# Allegro board 1010260-900-0012_PCB_Rev-a.brd (continued)
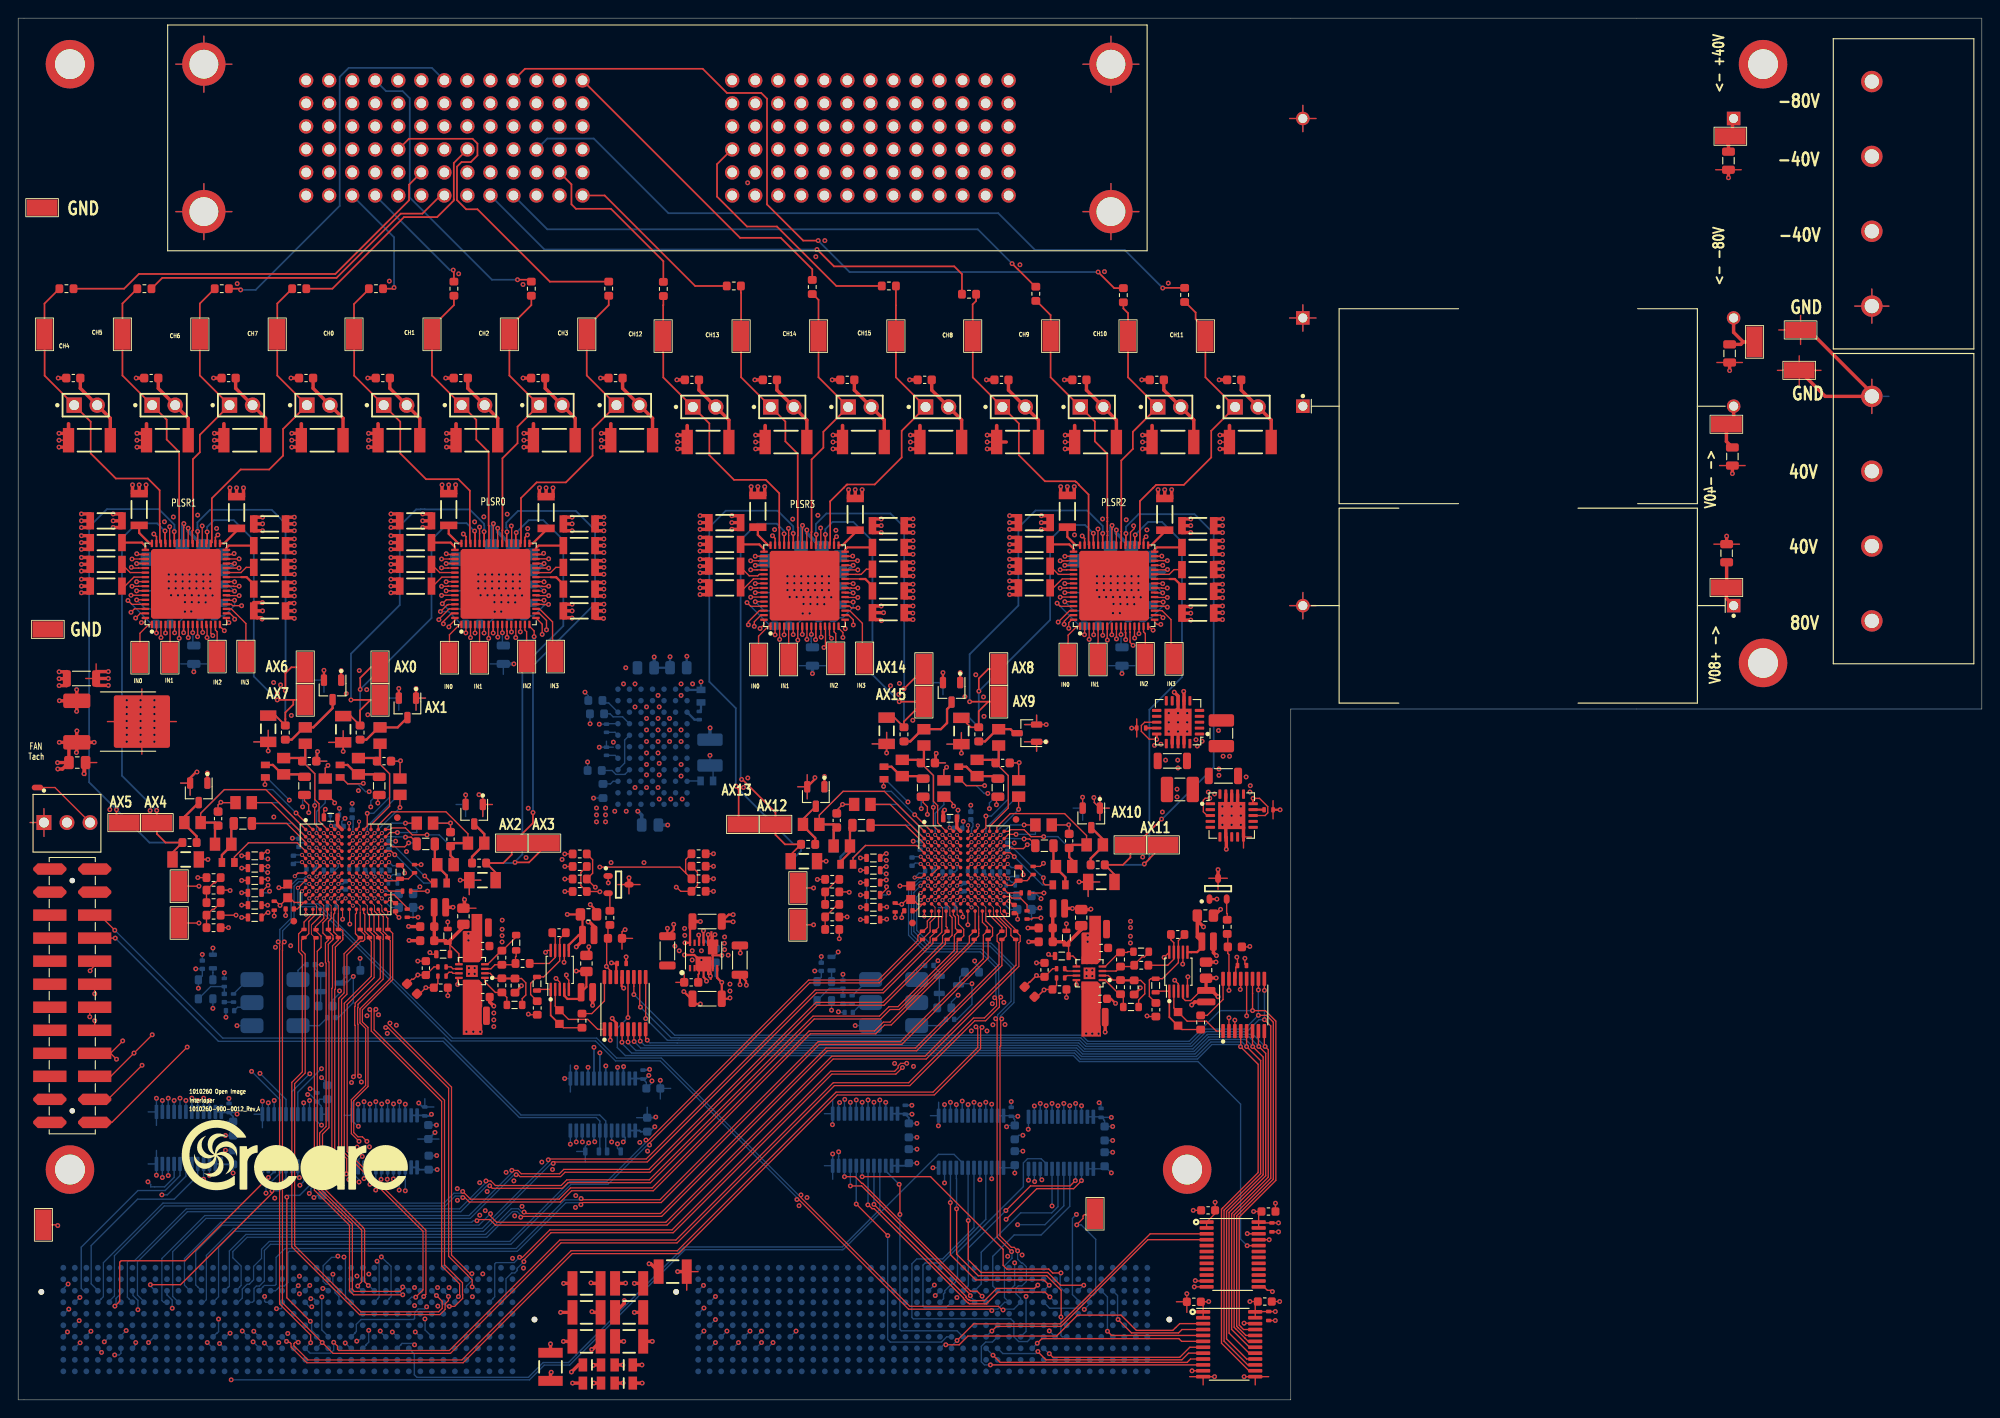
[diagram p0: board, top side]
## Routing (per net, layer and track width the routed paths; a pad name or vN(x,y) marks a point on that pad's centre or on a via; arc(x,y) is an arc through that point) (continued)
N15748910: length 5.2
  TOP w0.152: U10.B3 v2(32.91,62.51)
  BOTTOM w0.152: v2(32.91,62.51) 32.91,64.89 33.86,65.85 C61.2
N15748950: length 6.3
  TOP w0.152: U10.C3 v2(32.91,61.71)
  L3 - SIG1 w0.152: v1(31.37,65.41) 31.37,64.52 32.51,63.37 32.51,62.1 v2(32.91,61.71)
  BOTTOM w0.152: R36.2 31.37,66.52 v1(31.37,65.41)
N15749038: length 11
  TOP w0.152: U10.D3 v2(32.91,60.91)
  L3 - SIG1 w0.152: v1(29.9,66.15) 29.9,63.44 32,61.34 32.47,61.34 v2(32.91,60.91)
  BOTTOM w0.152: v1(29.9,66.15) 27.4,68.65 R37.2
N15749268: length 5.9
  TOP w0.152: v1(34.9,65.84) 34.9,65.95 34.12,66.73 C62.2 ; U10.B4 33.71,62.51 v2(33.7,62.51)
  L8 - SIG4 w0.152: v1(34.9,65.84) 34.62,65.56 34.62,64.34 33.71,63.42 33.71,62.97 33.7,62.97 v2(33.7,62.51)
N15749308: length 6.5
  TOP w0.152: U10.C4 v2(33.71,61.71) ; R39.2 31.57,66.09 32.04,65.62 v1(32.04,64.77)
  L3 - SIG1 w0.152: v2(33.71,61.71) 33.34,62.08 33.34,63.47 v1(32.04,64.77)
N15749344: length 11.8
  TOP w0.152: R40.2 27.22,68.61 v1(27.22,67.86) ; U10.D4 v2(33.71,60.91)
  L8 - SIG4 w0.152: v2(33.71,60.91) 33.27,61.34 31.88,61.34 27.22,66 v1(27.22,67.86)
N15749364: length 12.5
  TOP w0.152: v1(23.37,56.18) 23.33,56.22 R41.1 ; U10.J3 v2(32.91,56.11)
  L8 - SIG4 w0.152: v2(32.91,56.11) 32.43,56.58 31.97,56.58 31.63,56.92 30.3,56.92 28.73,55.35 24.2,55.35 v1(23.37,56.18)
N15749416: length 12.2
  TOP w0.152: v1(24.02,53.46) 24.02,53.46 R42.1 ; U10.K3 v2(32.91,55.31)
  L8 - SIG4 w0.152: v1(24.02,53.46) 24.65,54.09 24.85,54.09 25.74,54.99 28.8,54.99 29.49,55.68 32.54,55.68 v2(32.91,55.31)
N15749484: length 19.2
  TOP w0.152: TP11.1 v1(19.94,56.66) ; U10.J5 v2(34.51,56.11)
  L8 - SIG4 w0.152: v2(34.51,56.11) 34.18,56.44 34.18,57.01 33.91,57.28 30.25,57.28 28.6,55.63 26.29,55.63 25.26,56.66 v1(19.94,56.66)
N15749496: length 3.5
  TOP w0.152: R43.1 R41.2 21.56,57.02 21.74,57.02 R44.2
N15749914: length 19.5
  TOP w0.152: U10.L12 40.68,54.91 v2(41.02,55.24) 41.48,54.79 C71.1 ; U10.L1 31.66,54.86 31.5,54.86 ; 31.5,54.86 30.77,54.14 C66.1 ; 31.5,54.86 30.45,54.86 29.93,55.38 E1.1 28.88,54.54 v1(28.88,54.53) 28.41,55 C65.2
  L4 - POWER/GND w0.152: v1(28.88,54.53) 28.93,54.53 29.23,54.84 40.61,54.84 v2(41.02,55.24)
N15750422: length 27.8
  TOP w0.152: U10.A7 36.5,62.91 v2(36.5,63.6) ; R51.2 45.85,47.75 C64.2 44.08,46.86 v1(44.07,46.86) 43.6,46.39 43.39,46.39 C288.1
  L3 - SIG1 w0.152: v2(36.5,63.6) 36.44,63.54 36.44,60.77 36.47,60.73 36.75,60.45 41.67,60.45 41.82,60.45 43.59,58.69 43.59,47.35 v1(44.07,46.86)
N15750464: length 2.8
  TOP w0.152: U10.K11 v2(40.11,55.31)
  BOTTOM w0.152: R56.2 41.1,54.31 v2(40.11,55.31)
N15750500: length 2.5
  TOP w0.152: U10.J11 v2(40.11,56.11)
  BOTTOM w0.152: R58.2 41.27,55.83 41,56.11 v2(40.11,56.11)
N15750632: length 29.7
  TOP w0.152: R54.2 46.29,45.91 C70.2 v1(44.96,45.47) 44.28,44.79 C288.2 ; v2(37.59,63.78) 37.59,63.19 U10.A8
  L8 - SIG4 w0.152: v2(37.59,63.78) 36.51,62.69 36.51,59.79 36.58,59.72 41.5,59.72 43.59,57.63 43.59,46.84 v1(44.96,45.47)
N15751046: length 5.7
  TOP w0.152: U21.16 64.65,44 63.25,42.6 R52.1
N15751050: length 8.4
  TOP w0.152: U22.1 57.34,45.27 R57.1 ; C72.1 60.11,41.04 R52.2
  TOP w0.196: C72.1 59.66,41.47 58.72,42.41 U22.1
N15751228: length 9.9
  TOP w0.152: R49.2 56.52,44.7 56.52,45.95 R57.2 57.95,46.65 59.72,48.42 U22.8 59.72,50.85 R53.1
N15751240: length 5.9
  TOP w0.152: R53.2 59.22,51.2 U22.9 59.22,48.81 58.55,48.13 R50.1
N15751372: length 8.3
  TOP w0.152: U21.1 63.9,40.87 62.81,41.96 60.69,41.96 C72.2 59.22,43.44 U22.2
N15751666: length 3.6
  TOP w0.152: R63.1 43.04,57.47 R61.1 41.9,57.47 41.68,57.25 40.56,57.25 U10.H12
N15751718: length 19.1
  TOP w0.152: U10.J7 v2(36.91,56.11)
  L8 - SIG4 w0.152: v1(36.96,46.7) 36.96,49.94 37.36,50.34 37.36,55.04 37.27,55.13 37.27,55.74 v2(36.91,56.11)
  BOTTOM w0.152: 35.6,46.1 36.32,46.1 36.92,46.7 v1(36.96,46.7) 36.96,43.81 35.31,42.16 C84.2 ; 35.6,46.1 D1.3 ; 35.6,46.1 36.18,46.67 R62.1
N15751742: length 8.5
  TOP w0.152: U10.K8 v2(37.71,55.31)
  L8 - SIG4 w0.152: v1(37.71,48.69) v2(37.71,55.31)
  BOTTOM w0.152: v1(37.71,48.69) 37.71,47.4 R62.2
N15751846: length 15
  TOP w0.152: U10.K7 v2(36.91,55.31)
  L3 - SIG1 w0.152: v2(36.91,55.31) 36.17,54.57 36.17,50.79 33.45,48.07 v1(33.45,48.01)
  BOTTOM w0.152: v1(33.45,48.01) C86.2 32.71,47.57 D1.2 D1.1 33.36,43.66 R64.1
N15751854: length 14.5
  TOP w0.152: U10.J8 v2(37.71,56.11)
  L3 - SIG1 w0.152: v2(37.71,56.11) 37.38,55.79 37.38,55.45 37.38,55.45 37.38,52.59 36.63,51.84 36.63,46.3 v1(35.43,45.11)
  BOTTOM w0.152: R64.2 34.69,44.09 35.43,44.83 v1(35.43,45.11)
N15751858: length 3.1
  TOP w0.152: U10.K12 41.47,55.71 42.91,54.28 R65.1
N15751920: length 2
  TOP w0.152: U10.J12 40.9,56.11 R66.1
N15752090: length 15
  TOP w0.152: R68.2 26.88,58.65 27.07,58.84 v1(27.53,58.84) ; U10.H11 v2(40.11,56.91)
  L3 - SIG1 w0.152: v1(27.53,58.84) 38.7,58.84 39.75,57.78 39.75,57.26 v2(40.11,56.91)
N15752156: length 14.4
  TOP w0.152: U10.H10 v2(39.31,56.91)
  L3 - SIG1 w0.152: v2(39.31,56.91) 38.86,57.35 38.86,57.91 38.23,58.55 29.03,58.55 28.64,58.17 v1(27.51,58.17)
  BOTTOM w0.152: v1(27.51,58.17) 27.32,58.17 R69.2
N15752236: length 14.1
  TOP w0.152: U10.H9 v2(38.51,56.91) ; R70.2 26.84,56.03 v1(27.56,56.76)
  L3 - SIG1 w0.152: v2(38.51,56.91) 38.1,57.31 38.1,57.78 37.62,58.27 29.14,58.27 28.76,57.89 28.69,57.89 v1(27.56,56.76)
N15752296: length 12.8
  TOP w0.152: R72.2 27.5,54.57 27.51,54.56 v1(27.51,54.56) ; U10.H8 v2(37.71,56.91)
  L3 - SIG1 w0.152: v1(27.51,54.56) 27.79,54.56 30.54,57.32 36.7,57.32 36.73,57.34 37.08,57.34 37.11,57.32 37.3,57.32 v2(37.71,56.91)
N15752346: length 12.4
  TOP w0.152: v1(27.56,53.75) 27.38,53.75 R73.2 ; U10.H7 v2(36.91,56.91)
  L3 - SIG1 w0.152: v2(36.91,56.91) 35.77,56.91 35.44,56.58 33.04,56.58 33.04,56.57 32.77,56.57 32.76,56.58 31.97,56.58 31.64,56.91 30.72,56.91 v1(27.56,53.75)
N15752408: length 19.4
  TOP w0.152: U10.K10 v2(39.31,55.31) ; R75.2 27.31,60.48 v1(27.51,60.48)
  L3 - SIG1 w0.152: v1(27.51,60.48) 27.79,60.48 28.61,59.65 38.75,59.65 38.98,59.42 38.98,59.17 39.17,58.98 39.62,58.98 40.47,58.13 40.47,57.53 40.58,57.43 40.58,55.82 40.4,55.64 39.64,55.64 v2(39.31,55.31)
N15752474: length 15.5
  TOP w0.152: U10.J10 v2(39.31,56.11)
  L8 - SIG4 w0.152: v2(39.31,56.11) 38.86,56.55 38.86,58.01 38.51,58.37 36.12,58.37 35.56,58.93 28.66,58.93 27.93,59.66 v1(27.53,59.66)
  BOTTOM w0.152: R76.2 27.18,59.66 v1(27.53,59.66)
N15752544: length 14.8
  TOP w0.152: U10.K9 v2(38.51,55.31)
  L8 - SIG4 w0.152: v2(38.51,55.31) 38.07,55.74 38.07,56.21 37.84,56.44 37.67,56.44 37.38,56.73 37.38,56.99 36.98,57.38 36.21,57.38 35.37,58.22 29.84,58.22 v1(27.72,56.1)
  BOTTOM w0.152: v1(27.72,56.1) 27.55,55.93 R77.2
N15752612: length 1.5
  TOP w0.381: R79.2 35.22,63.4 U10.A6
N15752644: length 14.1
  TOP w0.152: R78.2 26.98,57.43 v1(27.53,57.43) ; U10.J9 v2(38.51,56.11)
  L8 - SIG4 w0.152: v2(38.51,56.11) 38.51,56.44 38.18,56.77 38.18,56.95 37.74,57.38 37.57,57.38 37.24,57.71 37.24,57.85 37.04,58.04 36.05,58.04 35.55,58.55 29.26,58.55 28.14,57.43 v1(27.53,57.43)
N15795370: length 6.2
  BOTTOM w0.254: D11.3 41.84,74.17 C31.1 39.75,74.17 38.4,72.82 R2.2
N15795374: length 6.2
  TOP w0.254: D12.3 41.84,74.17 C39.1 39.75,74.17 38.4,72.82 R11.2
N15832696: length 5.3
  BOTTOM w0.254: D14.3 50.82,62.98 50.84,62.98 51.4,62.43 C55.1 51.4,61.26 50.05,59.91 R29.2
N15832706: length 5.3
  TOP w0.254: R20.2 50.05,59.91 51.4,61.26 C47.1 51.4,62.41 D13.3
N15836066: length 18.5
  TOP w0.152: U10.K5 v2(34.51,55.31) ; TP12.1 v1(19.94,52.59)
  L8 - SIG4 w0.152: v2(34.51,55.31) 34.06,54.86 30.23,54.86 28.71,53.35 28.71,53.17 28.14,52.59 v1(19.94,52.59)
N15848135: length 3.5
  TOP w0.152: R45.2 R42.2 21.41,54.1 21.59,54.1 R43.2
N15857516: length 5.6
  TOP w0.254: D15.3 18.33,64.29 C32.1 18.33,63.52 19.68,62.17 R3.2
N15857738: length 5.6
  BOTTOM w0.254: D16.3 18.33,64.29 C40.1 18.33,63.52 19.68,62.17 R12.2
N15857964: length 7.6
  BOTTOM w0.254: D17.3 34.67,76.29 32.55,74.17 C48.1 31.51,74.17 30.16,72.82 R21.2
N15858186: length 7.6
  TOP w0.254: R30.2 30.16,72.82 31.51,74.17 C56.1 32.55,74.17 34.67,76.29 D18.3
N15861144: length 5.1
  TOP w0.152: U19.3 52.13,47.54 52.57,47.99 R46.2 54.7,47.99 R50.2 54.85,48.85 54.91,48.92 C291.1
N15861392: length 38.2
  TOP w0.152: U21.15 65.3,47.35 64.9,47.75 64.9,47.78 v1(64.87,47.81) 64.9,47.84 64.9,50.76 C302.2 65.04,52.17 R48.2 ; R49.1 56.33,42.48 v1(56.26,42.55) ; R47.2 v1(47.37,52.7)
  L8 - SIG4 w0.152: v1(56.26,42.55) 58.93,45.21 62.27,45.21 v1(64.87,47.81) 60.42,47.81 60.4,47.78 60,47.78 59.98,47.81 58.21,47.81 53.65,52.37 53.57,52.37 53.56,52.38 47.7,52.38 v1(47.37,52.7)
N15864259: length 1.3
  BOTTOM w0.152: R67.2 21.48,47.12 21.47,47.12 Y1.1
N15864385: length 1
  BOTTOM w0.152: R71.1 23.74,43.87 C82.2
N15864463: length 2.7
  BOTTOM w0.152: R71.2 25.33,46.35 T1.3
N15864467: length 3.6
  BOTTOM w0.152: C84.1 33.2,41.27 T1.6
N15864531: length 4.2
  BOTTOM w0.152: C82.1 R74.2 21.23,45.59 Y1.3
N15864535: length 2.3
  BOTTOM w0.152: C85.1 24.2,43.31 25.27,43.31 T1.2
N15864587: length 2.2
  BOTTOM w0.152: T1.4 30.86,47.37 31.5,48.01 C86.1
N15894414: length 2
  TOP w0.152: R48.1 65.25,55.69 U20.2
N15963021: length 3.7
  TOP w0.152: U37.5 50.88,81.87 TP26.1
N15963031: length 3.6
  TOP w0.152: TP28.1 56.07,84.73 55.88,84.92 U37.15
N15963035: length 6.4
  TOP w0.152: U37.19 57.48,87.25 58.93,85.8 58.93,82.3 TP30.1
N15963075: length 5.9
  TOP w0.152: v1(51.89,84) 51.88,84.01 U37.7
  BOTTOM w0.152: v1(51.89,84) 51.86,84.02 51.86,85.65 52.68,86.46 R162.2
N15965806: length 5.3
  TOP w0.152: v1(46.56,86.95) 46.58,86.95 47.32,87.69 47.4,87.69 47.44,87.73 48.14,87.73 U37.61
  BOTTOM w0.152: R160.2 48.84,85.57 47.47,86.94 46.57,86.94 v1(46.56,86.95)
N15979321: length 2.3
  TOP w0.152: U10.B7 v2(36.91,62.51)
  BOTTOM w0.152: v2(36.91,62.51) 36.91,63.16 36.94,63.19 36.94,64.11 C63.1
N15986485: length 33.5
  TOP w0.152: TP2.1 4.29,19.3 v1(4.37,19.23)
  L8 - SIG4 w0.152: v1(4.37,19.23) 13.32,10.27 13.34,10.27 17.77,5.85 21.05,5.85 26.61,11.41 v1(27.18,11.41)
  BOTTOM w0.152: v1(27.18,11.41) 27.18,10.88 27.29,10.77 J3.G22
N15991050: length 1.5
  TOP w0.152: R51.1 47.74,47.75 47.94,47.54 U19.10
N15991145: length 1.7
  TOP w0.152: U19.11 47.94,47.04 47.82,47.17 47.52,47.17 47.19,46.84 R54.1
N15991982: length 7.5
  TOP w0.152: U19.2 52.04,47.04 52.59,46.5 R55.2 ; C290.1 55.58,44.25 55.98,44.65 55.98,46 55.51,46.47 R210.1
  TOP w0.254: R210.1 53.37,46.47 R55.2
N15999825: length 4.4
  TOP w0.152: TP23.1 13.43,84.55 14.41,85.53 U36.1
N15999843: length 3.7
  TOP w0.152: U36.5 16.75,81.87 TP25.1
N15999847: length 3.6
  TOP w0.152: U36.15 21.75,84.92 21.94,84.73 TP27.1
N15999851: length 6.5
  TOP w0.152: TP29.1 25.12,85.63 23.5,87.25 U36.19
N15999879: length 6.3
  TOP w0.152: U36.61 12.55,87.75 12.13,88.16 v1(12.11,88.16)
  BOTTOM w0.152: R159.2 14.7,85.57 v1(12.11,88.16)
N15999931: length 5.9
  TOP w0.152: U36.7 17.75,84.01 v1(17.76,84)
  BOTTOM w0.152: R161.2 18.39,86.46 17.76,85.83 v1(17.76,84)
N16009220: length 5
  BOTTOM w0.254: D3.3 109.87,73.53 109.43,73.97 C89.1 107.97,73.97 106.62,72.62 R81.2
N16009270: length 5.3
  TOP w0.196: C90.1 86.54,64.06 D7.3
  TOP w0.254: R82.2 87.89,61.97 86.54,63.32 C90.1
N16009328: length 6.4
  TOP w0.152: U23.B9 v2(106.72,62.31)
  BOTTOM w0.152: C91.2 110.17,66.53 106.72,63.08 v2(106.72,62.31)
N16009384: length 6.3
  TOP w0.152: U23.C9 v2(106.72,61.51)
  L3 - SIG1 w0.152: v1(107.1,65.21) 107.1,61.89 v2(106.72,61.51)
  BOTTOM w0.152: v1(107.1,65.21) 107.1,65.84 107.78,66.52 R83.2
N16009538: length 11
  TOP w0.152: U23.D9 v2(106.72,60.71)
  L3 - SIG1 w0.152: v2(106.72,60.71) 106.29,61.14 106.29,66.26 v1(106.92,66.89)
  BOTTOM w0.152: v1(106.92,66.89) 106.52,66.89 105.66,67.75 104.55,67.75 103.85,68.45 R84.2
N16009642: length 5.9
  TOP w0.152: C96.2 v1(110.32,65.14) ; U23.B10 v2(107.52,62.31)
  BOTTOM w0.152: v2(107.52,62.31) 110.32,65.11 v1(110.32,65.14)
N16009734: length 5.8
  TOP w0.152: U23.C10 v2(107.52,61.51) ; R88.2 107.88,66.37 v1(107.88,65.64)
  L3 - SIG1 w0.152: v1(107.88,65.64) 107.88,61.87 v2(107.52,61.51)
N16009890: length 11.6
  TOP w0.152: U23.D10 v2(107.52,60.71) ; v1(106.57,67.75) 104.55,67.75 103.85,68.45 R89.2
  L8 - SIG4 w0.152: v2(107.52,60.71) 107.19,61.04 106.72,61.04 106.32,61.45 106.32,66.92 106.57,67.17 v1(106.57,67.75)
N16009926: length 5
  TOP w0.254: R90.2 106.62,72.62 107.97,73.97 C97.1 109.42,73.97 109.86,73.53 D4.3
N16009972: length 5.3
  BOTTOM w0.196: C98.1 86.54,64.06 D8.3
  BOTTOM w0.254: C98.1 86.54,63.32 87.89,61.97 R91.2
N16010126: length 4.9
  TOP w0.152: C99.2 v1(110.93,63.41) ; U23.B11 v2(108.32,62.31)
  BOTTOM w0.152: v2(108.32,62.31) 109.42,63.41 v1(110.93,63.41)
N16010242: length 5
  TOP w0.152: v1(110.93,61.87) 111.54,61.87 112.16,61.25 R94.2 ; U23.C11 v2(108.32,61.51)
  BOTTOM w0.152: v1(110.93,61.87) 110.89,61.9 109.84,61.9 109.82,61.92 108.73,61.92 v2(108.32,61.51)
N16010284: length 8.5
  TOP w0.152: R96.2 113.25,56.81 113.05,57.01 v1(113.05,57.59) ; U23.D11 v2(108.32,60.71)
  BOTTOM w0.152: v2(108.32,60.71) 108.63,61.02 109.58,61.02 112.65,57.94 112.69,57.94 v1(113.05,57.59)
N16010464: length 4.7
  TOP w0.152: U23.B12 109.19,62.38 v1(110.04,62.38)
  BOTTOM w0.152: C104.2 112.17,62.38 112.17,62.38 v1(110.04,62.38)
N16010590: length 3.8
  TOP w0.152: v1(111.28,61.23) 110.85,60.8 109.54,60.8 109.23,61.11 U23.C12
  BOTTOM w0.152: R98.2 112.05,61.23 v1(111.28,61.23)
N16010638: length 5.2
  TOP w0.254: R99.2 118.26,59.71 119.61,61.06 C105.1 119.61,61.21 119.6,61.84 D5.3
N16010688: length 8.1
  BOTTOM w0.254: R100.2 98.38,72.62 99.73,73.97 C106.1 101.74,73.97 102.41,74.64 102.41,76.16 102.93,76.67 D9.3
N16010728: length 6.8
  TOP w0.152: U23.D12 108.75,60.34 109.4,60.34 v1(109.84,59.9)
  BOTTOM w0.152: R101.2 112.94,56.81 v1(109.84,59.9)
N16010992: length 7
  TOP w0.152: U23.C1 99.92,61.32 97.86,63.38 R105.2
N16011046: length 9.5
  TOP w0.152: R106.2 92.06,59.78 93.43,61.14 99.09,61.14 U23.D1
N16011316: length 8.3
  TOP w0.152: U23.B2 v2(100.32,62.31)
  BOTTOM w0.152: C112.2 96.96,65.67 v2(100.32,62.31)
N16011344: length 5.2
  BOTTOM w0.254: D6.3 119.61,61.84 C113.1 119.61,61.06 118.26,59.71 R108.2
N16011394: length 8.1
  TOP w0.254: R109.2 98.38,72.62 99.73,73.97 C114.1 101.74,73.97 102.43,74.66 102.43,76.18 102.93,76.67 D10.3
N16011436: length 7.7
  TOP w0.152: U23.C2 v2(100.32,61.51)
  BOTTOM w0.152: R110.2 98.45,63.38 v2(100.32,61.51)
N16011514: length 10.3
  TOP w0.152: U23.D2 v2(100.32,60.71)
  BOTTOM w0.152: v2(100.32,60.71) 99.89,61.14 93.43,61.14 92.06,59.78 R111.2
N16011714: length 5.2
  TOP w0.152: U23.B3 v2(101.12,62.31)
  BOTTOM w0.152: C119.2 102.08,65.65 101.12,64.7 v2(101.12,62.31)
N16011750: length 6.3
  TOP w0.152: U23.C3 v2(101.12,61.51)
  L3 - SIG1 w0.152: v1(99.59,65.21) 99.59,64.32 100.73,63.18 100.73,61.91 v2(101.12,61.51)
  BOTTOM w0.152: R115.2 99.59,66.32 v1(99.59,65.21)
N16011836: length 11
  TOP w0.152: U23.D3 v2(101.12,60.71)
  L3 - SIG1 w0.152: v2(101.12,60.71) 100.69,61.14 100.22,61.14 98.12,63.25 v1(98.12,65.95)
  BOTTOM w0.152: R116.2 95.62,68.45 v1(98.12,65.95)
N16011964: length 5.9
  TOP w0.152: U23.B4 v2(101.92,62.31) ; v1(103.14,65.49) 103.14,65.5 103.02,65.61 103.02,65.84 102.33,66.53 C120.2
  L8 - SIG4 w0.152: v1(103.14,65.49) 103.14,64.53 101.9,63.3 101.9,62.79 101.92,62.77 v2(101.92,62.31)
N16011984: length 6.9
  TOP w0.152: R118.2 99.79,65.9 100.26,65.42 v1(100.26,64.57) ; U23.C4 v2(101.92,61.51)
  L3 - SIG1 w0.152: v1(100.26,64.57) 100.61,64.22 100.82,64.22 102.32,62.71 102.32,61.91 v2(101.92,61.51)
N16012014: length 11.8
  TOP w0.152: v1(95.43,67.67) 95.43,68.41 R119.2 ; U23.D4 v2(101.92,60.71)
  L8 - SIG4 w0.152: v2(101.92,60.71) 101.49,61.14 100.09,61.14 95.43,65.81 v1(95.43,67.67)
N16012074: length 12.2
  TOP w0.152: U23.J3 v2(101.12,55.91) ; R120.1 91.6,56.03 v1(91.64,55.98)
  L8 - SIG4 w0.152: v2(101.12,55.91) 100.72,56.32 97.76,56.32 96.59,55.15 92.48,55.15 v1(91.64,55.98)
N16012094: length 3.5
  TOP w0.152: R122.1 R120.2 90.37,57.41 R123.2
N16012142: length 2.4
  TOP w0.152: U23.B7 v2(105.12,62.31)
  BOTTOM w0.152: v2(105.12,62.31) 105.12,62.96 105.15,63 105.15,63.09 105.28,63.22 105.28,63.6 105.15,63.73 105.15,63.91 C121.1
N16012146: length 12.3
  TOP w0.152: U23.K3 v2(101.12,55.11) ; R121.1 v1(91.41,53.27)
  L8 - SIG4 w0.152: v2(101.12,55.11) 100.68,55.56 97.77,55.56 97.08,54.86 94.1,54.86 92.5,53.27 v1(91.41,53.27)
N16012150: length 3.5
  TOP w0.152: R124.2 R121.2 90.37,54.65 R122.2
N16012262: length 19.3
  TOP w0.152: TP21.1 v1(87.71,56.46) ; U23.J5 v2(102.72,55.91)
  L8 - SIG4 w0.152: v2(102.72,55.91) 102.39,56.24 102.39,56.81 102.11,57.1 98.14,57.1 96.47,55.43 94.51,55.43 93.47,56.46 v1(87.71,56.46)
N16012326: length 18.4
  TOP w0.152: U23.K5 v2(102.72,55.11) ; v1(87.71,52.4) TP22.1
  L8 - SIG4 w0.152: v2(102.72,55.11) 100.01,52.4 v1(87.71,52.4)
N16012516: length 41.2
  TOP w0.152: R128.1 124.55,42.28 v1(124.48,42.35) ; v1(133.51,45.16) U34.15 133.51,49.12 133.39,49.24 C303.2 133.39,51.33 R127.2 ; R60.2 v1(115.59,52.51)
  L8 - SIG4 w0.152: v1(115.59,52.51) 115.59,52.45 116.43,51.61 130.38,51.61 133.49,48.5 133.49,45.18 v1(133.51,45.16) 133.5,45.14 127.27,45.14 v1(124.48,42.35)
N16012708: length 2.3
  TOP w0.152: U33.2 133.26,53.68 133.32,53.62 R127.1
N16012888: length 5.9
  TOP w0.152: R125.1 126.76,47.94 127.44,48.61 U35.9 127.44,50.42 127.11,50.74 R132.2
N16012964: length 18.5
  TOP w0.152: U23.L12 109.06,55.05 v2(109.24,55.05) 109.69,54.59 C123.1 ; C127.1 98.99,53.95 99.71,54.67 ; 99.71,54.67 99.88,54.67 U23.L1 ; 99.71,54.67 99.2,54.67 98.68,55.19 E2.1 97.98,55.19 97.45,54.66 v1(97.43,54.66) 96.85,54.66 C122.2
  L4 - POWER/GND w0.152: v2(109.24,55.05) 108.85,54.66 v1(97.43,54.66)
N16013056: length 5.5
  TOP w0.152: U34.16 132.86,44.16 131.11,42.41 R131.1
N16013060: length 8.4
  TOP w0.152: R135.1 125.56,45.08 U35.1 ; C128.1 128.33,40.85 R131.2
  TOP w0.196: C128.1 127.88,41.27 126.94,42.21 U35.1
N16013076: length 10.2
  TOP w0.152: R132.1 127.94,50.66 U35.8 127.94,48.22 126.17,46.45 R135.2 124.88,46.45 124.73,46.3 124.73,44.5 R128.2
N16013452: length 8.3
  TOP w0.152: U35.2 127.44,43.24 C128.2 128.91,41.77 131.03,41.77 132.12,40.68 U34.1
N16013654: length 2.8
  TOP w0.152: U23.K11 v2(108.32,55.11)
  BOTTOM w0.152: R134.2 109.35,54.09 v2(108.32,55.11)
N16013710: length 2.5
  TOP w0.152: U23.J11 v2(108.32,55.91)
  BOTTOM w0.152: v2(108.32,55.91) 109.16,55.91 109.46,55.61 R137.2
N16014570: length 3.9
  TOP w0.152: R142.1 111.83,57.94 111.49,57.61 111.49,57.51 111.26,57.27 R140.1 110.12,57.27 109.59,56.74 109.09,56.74 U23.H12
N16014614: length 19.1
  TOP w0.152: U23.J7 v2(105.12,55.91)
  L8 - SIG4 w0.152: v2(105.12,55.91) 105.54,55.5 105.54,55.34 105.49,55.29 105.49,54.93 105.54,54.89 105.54,54.51 105.56,54.49 105.56,54.13 105.54,54.11 105.54,52.49 104.92,51.87 104.92,48.06 105.17,47.81 v1(105.17,45.9)
  BOTTOM w0.152: R141.1 103.82,46.6 103.82,45.9 ; 103.82,45.9 D2.3 ; 103.82,45.9 v1(105.17,45.9) 105.17,43.62 103.52,41.97 C144.2
N16014638: length 8.9
  TOP w0.152: U23.K8 v2(105.92,55.11)
  L8 - SIG4 w0.152: v2(105.92,55.11) 105.92,52.37 105.47,51.92 v1(105.47,48.41)
  BOTTOM w0.152: R141.2 105.95,47.71 105.47,48.19 v1(105.47,48.41)
N16014738: length 14.8
  TOP w0.152: U23.K7 v2(105.12,55.11)
  L3 - SIG1 w0.152: v1(101.42,48.44) 105.5,52.51 105.5,54.73 v2(105.12,55.11)
  BOTTOM w0.152: v1(101.42,48.44) 101.42,48.4 C146.2 100.93,47.83 101.57,47.19 D2.2 D2.1 101.57,43.46 R143.1
N16014746: length 14.8
  TOP w0.152: U23.J8 v2(105.92,55.91)
  L3 - SIG1 w0.152: v2(105.92,55.91) 106.29,55.55 106.29,52.1 103.65,49.46 v1(103.65,44.63)
  BOTTOM w0.152: v1(103.65,44.63) 102.91,43.89 R143.2
N16014750: length 3.6
  TOP w0.152: U23.K12 109.41,55.51 109.58,55.35 110.52,55.35 111.25,54.61 R144.1
N16014802: length 1.2
  BOTTOM w0.152: R145.2 Y2.1
N16014818: length 2
  TOP w0.152: R146.1 109.12,55.92 U23.J12
N16015030: length 15.2
  TOP w0.152: R147.2 95.46,58.82 v1(95.73,58.82) ; U23.H11 v2(108.32,56.71)
  L3 - SIG1 w0.152: v2(108.32,56.71) 107.97,57.07 107.97,57.59 106.82,58.74 95.83,58.74 95.75,58.82 v1(95.73,58.82)
N16015120: length 14.3
  TOP w0.152: U23.H10 v2(107.52,56.71)
  L3 - SIG1 w0.152: v2(107.52,56.71) 107.08,57.16 107.08,57.71 106.44,58.35 96.06,58.35 v1(95.73,58.01)
  BOTTOM w0.152: v1(95.73,58.01) 95.45,58.01 R148.2
N16015270: length 14.2
  TOP w0.152: U23.H9 v2(106.72,56.71) ; v1(95.76,56.59) 95.76,56.36 95.09,55.69 R149.2
  L3 - SIG1 w0.152: v2(106.72,56.71) 106.32,57.12 106.32,57.59 105.83,58.07 97.24,58.07 v1(95.76,56.59)
N16015338: length 4.2
  BOTTOM w0.152: C143.1 R153.2 89.45,45.39 Y2.3
N16015350: length 1
  BOTTOM w0.152: R150.1 91.96,43.67 C143.2
N16015354: length 2.8
  BOTTOM w0.152: R150.2 93.73,46.34 93.97,46.34 T2.3
N16015358: length 3.5
  BOTTOM w0.152: T2.6 101.62,41.28 C144.1
N16015370: length 13
  TOP w0.152: U23.H8 v2(105.92,56.71) ; R151.2 95.08,54.36 v1(95.78,54.36)
  L3 - SIG1 w0.152: v1(95.78,54.36) 96.66,55.24 96.66,55.62 98.19,57.15 105.48,57.15 v2(105.92,56.71)
N16015442: length 13
  TOP w0.152: R152.2 95.73,52.97 v1(95.78,53.02) ; U23.H7 v2(105.12,56.71)
  L3 - SIG1 w0.152: v2(105.12,56.71) 104.59,56.71 104.14,56.26 97.7,56.26 96.94,55.5 96.94,54.18 v1(95.78,53.02)
N16015490: length 2.4
  BOTTOM w0.152: C145.1 93.13,43.82 T2.2
N16015566: length 20
  TOP w0.152: v1(95.73,60.25) 95.53,60.25 R154.2 ; U23.K10 v2(107.52,55.11)
  L3 - SIG1 w0.152: v1(95.73,60.25) 103.95,60.25 104.7,59.5 108.5,59.5 108.79,59.2 108.79,55.62 108.61,55.44 107.85,55.44 v2(107.52,55.11)
N16015626: length 2.2
  BOTTOM w0.152: C146.1 99.55,47.91 99.08,47.44 T2.4
N16015638: length 15.5
  TOP w0.152: U23.J10 v2(107.52,55.91)
  L8 - SIG4 w0.152: v1(95.73,59.51) 104.25,59.51 104.99,58.78 105,58.78 105.03,58.75 106.14,58.75 107.08,57.82 107.08,56.36 v2(107.52,55.91)
  BOTTOM w0.152: v1(95.73,59.51) 95.31,59.51 R155.2
N16015698: length 14.9
  TOP w0.152: U23.K9 v2(106.72,55.11)
  L8 - SIG4 w0.152: v1(95.99,55.92) 98.11,58.04 98.67,58.04 98.67,58.04 99.03,58.04 99.04,58.04 103.57,58.04 104.42,57.18 105.2,57.18 105.59,56.79 105.59,56.49 105.84,56.24 106.06,56.24 106.29,56.01 106.29,55.54 v2(106.72,55.11)
  BOTTOM w0.152: v1(95.99,55.92) 95.99,55.92 95.76,55.69 R156.2
N16015790: length 14.6
  TOP w0.152: v1(95.73,57.34) 95.34,57.34 R157.2 ; U23.J9 v2(106.72,55.91)
  L8 - SIG4 w0.152: v2(106.72,55.91) 106.72,56.24 106.39,56.57 106.39,57.59 106.14,57.84 104.27,57.84 103.76,58.35 96.75,58.35 95.75,57.34 v1(95.73,57.34)
N16017913: length 4.4
  TOP w0.152: TP32.1 115.78,84.34 116.77,85.33 U38.1
N16017931: length 3.7
  TOP w0.152: U38.5 119.1,84.86 119.08,84.85 119.08,81.66 TP34.1
N16017935: length 3.7
  TOP w0.152: TP36.1 124.29,84.53 124.1,84.72 U38.15
N16017939: length 6.7
  TOP w0.152: U38.19 126.14,87.05 127.13,86.06 127.13,83.41 127.46,83.08 TP38.1
N16017967: length 6
  TOP w0.152: U38.61 116.36,87.53 114.9,87.53 v1(114.57,87.87)
  BOTTOM w0.152: R164.2 117.06,85.38 v1(114.57,87.87)
N16018019: length 5.9
  TOP w0.152: U38.7 120.1,83.81 v1(120.1,83.8)
  BOTTOM w0.152: R166.2 120.9,86.27 120.08,85.45 120.08,83.83 v1(120.1,83.8)
N16020693: length 4.4
  TOP w0.152: U39.1 82.73,85.33 81.65,84.24 TP31.1
N16020711: length 3.7
  TOP w0.152: U39.5 84.97,81.68 TP33.1
N16020715: length 3.6
  TOP w0.152: TP35.1 90.16,84.53 89.97,84.72 U39.15
N16020719: length 6.5
  TOP w0.152: U39.19 91.7,87.05 93.09,85.65 93.09,82.03 TP37.1
N16020747: length 6.1
  TOP w0.152: U39.61 82.23,87.53 80.77,87.53 v1(80.37,87.93)
  BOTTOM w0.152: v1(80.37,87.93) 82.93,85.38 R163.2
N16020799: length 5.9
  TOP w0.152: U39.7 85.97,83.81 v1(85.97,83.8)
  BOTTOM w0.152: v1(85.97,83.8) 85.97,85.63 86.61,86.27 R165.2
N16028190: length 18.2
  TOP w0.152: v1(116.73,19.3) 116.73,19.32 117.42,20.02 117.42,20.28 117.58,20.43 118.65,20.43 TP1.1
  BOTTOM w0.152: J2.G10 113.74,10.11 116.98,10.11 117.42,10.55 117.42,10.84 118.08,11.51 118.53,11.51 118.82,11.8 118.82,17.7 117.22,19.3 v1(116.73,19.3)
N16051197: length 1.6
  TOP w0.196: C239.2 74.99,46.92 75.09,47.01 U43.3
N16051229: length 4
  TOP w0.254: U43.11 75.57,50.43 v1(75.57,51.74)
  BOTTOM w0.178: C232.1 76.68,49.98 76.4,49.98
  BOTTOM w0.254: v1(75.57,51.74) 75.57,50.81 76.4,49.98
N16072830: length 2.3
  BOTTOM w0.152: R138.2 64.43,77.08 64.65,76.86 65.13,76.86 U40.C7
N16072888: length 1.8
  BOTTOM w0.152: R139.2 65.32,67.94 65.61,68.23 U40.J7
N16073606: length 3.4
  BOTTOM w0.152: R208.2 65.48,69.42 65.91,68.99 66.9,68.99 U40.H6
N16073613: length 3.3
  BOTTOM w0.152: R209.2 65.27,75.67 65.6,75.34 66.65,75.34 U40.D6
N16170592: length 4.3
  TOP w0.152: U37.1 48.7,85.53 47.56,84.39 TP24.1
N16174964: length 3.9
  TOP w0.152: 58.75,90.73 58.74,90.75 U37.26
  TOP w0.254: C155.1 60.12,89.95 59.33,90.73 58.75,90.73
N16174980: length 2.6
  TOP w0.254: C156.1 58.22,95.94 56.75,94.47 U37.33
N16175044: length 3
  TOP w0.152: C157.1 45.73,89.75 46.73,90.75 U37.55
N16175092: length 2.8
  TOP w0.254: C158.1 47.48,95.52 48.54,94.47 U37.48
N16178445: length 4.6
  TOP w0.152: v1(52.4,96.65) 52.38,96.62 U37.41
  BOTTOM w0.381: C159.2 52.29,94.35 52.29,96.38 52.4,96.5 v1(52.4,96.65)
N16181821: length 4.3
  TOP w0.152: v1(52.88,96.14) U37.40
  BOTTOM w0.381: C161.2 54.32,94.29 52.88,95.74 v1(52.88,96.14)
N16187781: length 3
  TOP w0.152: U37.54 46.49,91.25 C165.1
N16187837: length 3.3
  TOP w0.152: U37.27 57.11,91.24 58.71,91.24 59.29,91.82 C166.1
N16198090: length 3.3
  TOP w0.254: U37.32 57.1,93.93 57.39,94.22 C168.1
N16198108: length 3.1
  TOP w0.254: C169.1 47.69,94.55 48.16,94.08 U37.49
N16201458: length 3.9
  TOP w0.152: U36.26 24.61,90.75
  TOP w0.254: 24.61,90.75 25.19,90.75 25.99,89.95 C162.1
N16201474: length 2.7
  TOP w0.254: C164.1 24.09,95.84 22.71,94.47 U36.33
N16201598: length 3
  TOP w0.152: C173.1 11.78,89.75 12.77,90.75 U36.55
N16201646: length 2.7
  TOP w0.254: C174.1 13.35,95.62 14.5,94.47 U36.48
N16201832: length 4.6
  TOP w0.152: v1(18.27,96.65) 18.27,96.25 18.25,96.23 U36.41
  BOTTOM w0.381: v1(18.27,96.65) 18.27,96.5 18.16,96.38 18.16,94.35 C175.2
N16201856: length 4.3
  TOP w0.152: v1(18.75,96.14) U36.40
  BOTTOM w0.381: C176.2 20.27,94.29 18.75,95.81 v1(18.75,96.14)
N16201868: length 3.3
  TOP w0.152: C181.1 25.15,91.82 24.57,91.25 U36.27
N16201872: length 3
  TOP w0.152: C177.1 12.36,91.25 U36.54
N16201892: length 3.2
  TOP w0.254: C182.1 13.65,94.55 14.03,94.17 U36.49
N16201896: length 3.3
  TOP w0.254: C178.1 23.23,94.22 22.97,93.96 U36.32
N16209414: length 3.9
  TOP w0.152: 126.97,90.53 126.95,90.55 U38.26 ; C188.1 128.33,89.22
  TOP w0.254: 126.97,90.53 127.55,90.53 128.33,89.75 128.33,89.22
N16209430: length 2.6
  TOP w0.254: C189.1 126.43,95.75 124.95,94.27 U38.33
N16209554: length 3
  TOP w0.152: U38.55 115.13,90.55 114.14,89.56 C192.1
N16209602: length 2.9
  TOP w0.254: C193.1 115.69,95.18 116.61,94.27 U38.48
N16209788: length 4.6
  TOP w0.152: v1(120.62,96.45) 120.62,96.05 120.6,96.03 U38.41
  BOTTOM w0.381: C194.2 120.51,94.15 120.51,96.19 120.62,96.3 v1(120.62,96.45)
N16209812: length 4.3
  TOP w0.152: v1(121.1,95.94) U38.40
  BOTTOM w0.381: C195.2 122.61,94.1 121.1,95.61 v1(121.1,95.94)
N16209824: length 3.2
  TOP w0.152: C200.1 127.45,91.57 126.93,91.05 U38.27
N16209828: length 3
  TOP w0.152: U38.54 114.7,91.05 C196.1
N16209848: length 3.1
  TOP w0.254: U38.49 116.38,93.88 115.91,94.36 C201.1
N16209852: length 3.3
  TOP w0.254: U38.32 125.32,93.77 125.57,94.02 C197.1
N16211890: length 3.9
  TOP w0.152: U39.26 92.82,90.55 92.84,90.53
  TOP w0.254: 92.84,90.53 93.42,90.53 94.2,89.75 C248.1
N16211906: length 2.7
  TOP w0.254: U39.33 90.91,94.27 92.3,95.66 C250.1
N16212030: length 3
  TOP w0.152: U39.55 81.1,90.55 81.09,90.54 81.07,90.54 80.08,89.56 C253.1
N16212078: length 2.7
  TOP w0.254: C254.1 81.56,95.4 82.7,94.27 U39.48
N16212264: length 4.6
  TOP w0.152: U39.41 86.47,96.03 86.49,96.05 v1(86.49,96.45)
  BOTTOM w0.381: C255.2 86.38,94.15 86.38,96.19 86.49,96.3 v1(86.49,96.45)
N16212288: length 4.3
  TOP w0.152: v1(86.97,95.94) U39.40
  BOTTOM w0.381: v1(86.97,95.94) 86.97,95.61 88.48,94.1 C256.2
